# Allegro board 6089-103-RevB_76.brd (continued)
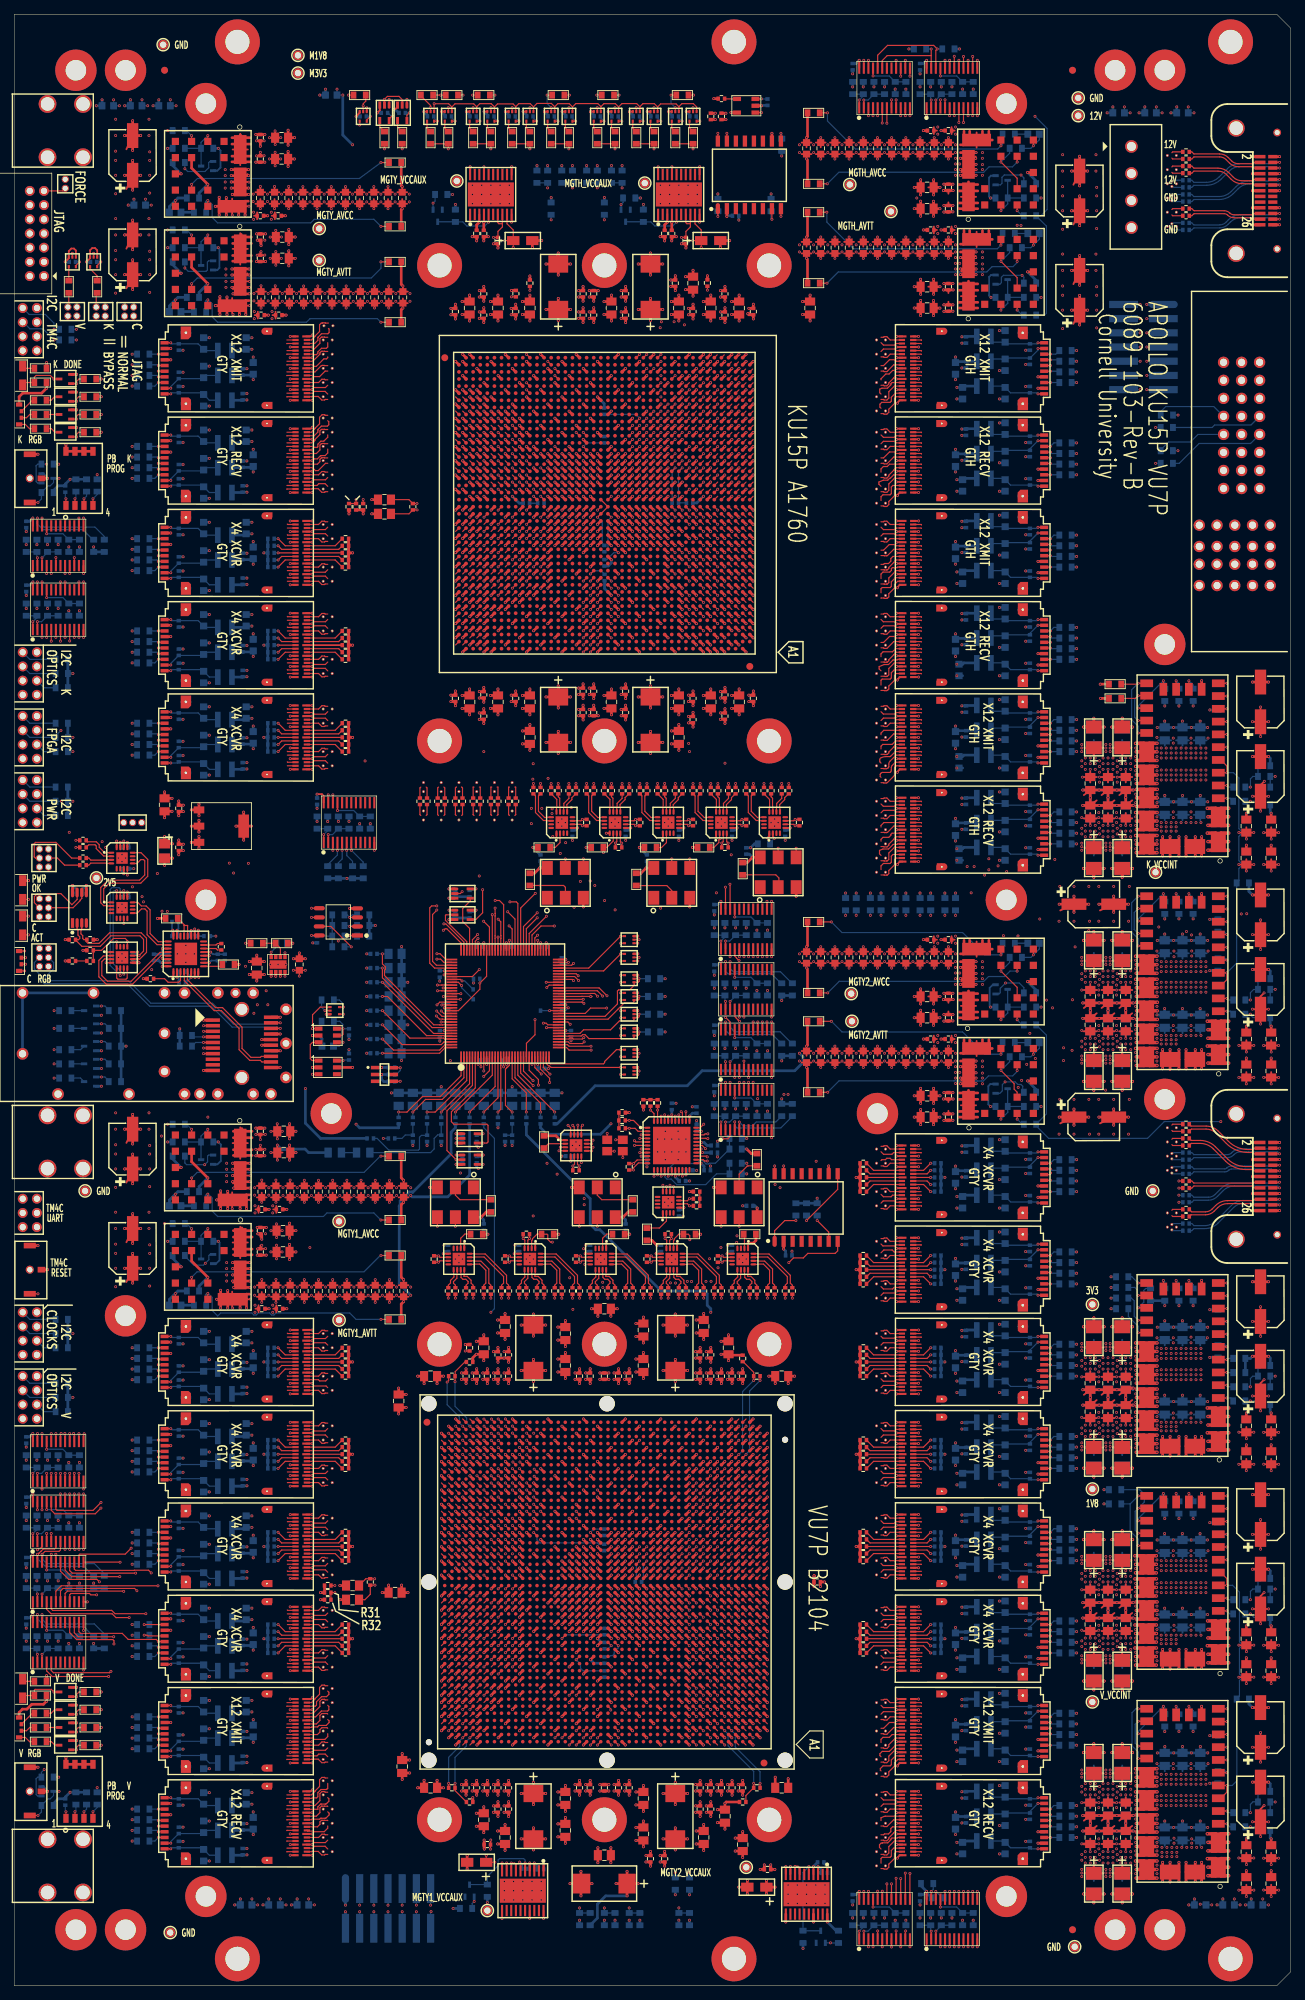
[diagram p0: board, top side]
## Routing (per net, layer and track width the routed paths; a pad name or vN(x,y) marks a point on that pad's centre or on a via; arc(x,y) is an arc through that point) (continued)
; VA57.4 63.02,169.86 ; VA57.4 63.08,169.53 ; VA57.4 62.7,169.92 ; VA57.4 62.89,169.95 ; P1.P2-9 167.07,203.78 ; P1.P2-9 166.33,202.06 ; P1.P2-9 167.07,201.82 ; P1.P2-9 167.81,202.06 ; P1.P2-9 166.33,203.54 ; P1.P2-9 168.05,202.8 ; P1.P2-9 166.09,202.8 ; P1.P2-9 167.81,203.54 ; VA94.3 123.16,169.58 ; VA94.3 123.25,170.09 ; VA94.3 123.25,169.71 ; VA94.3 122.83,170.28 ; VA94.3 122.83,169.52 ; VA94.3 123.02,170.31 ; VA94.3 123.16,170.22 ; VA94.3 123.22,169.9 ; 121.38,35.49 VA127.4 ; VA127.4 121.15,36.09 ; VA127.4 121.24,35.58 ; VA127.4 121.24,36.22 ; VA127.4 121.56,36.28 ; VA127.4 121.56,35.52 ; VA127.4 121.18,35.9 ; VA127.4 121.15,35.71 ; J1.1 4.87,240.23 ; J1.1 3.32,240.9 ; J1.1 5.08,240.9 ; J1.1 4.87,241.57 ; J1.1 3.53,241.57 ; J1.1 3.53,240.23 ; J1.1 4.2,241.78 ; J1.1 4.2,240.02 ; 43.15,39.71 43.56,39.9 ; 43.56,39.9 43.24,39.58 ; 43.56,39.9 43.24,40.22 ; 43.56,39.9 43.56,39.52 ; 43.56,39.9 43.38,39.49 ; 43.56,39.9 43.56,40.28 ; 43.56,39.9 43.15,40.09 ; 43.56,39.9 43.18,39.9 ; 6.18,125.65 6.18,126.53 ; 6.18,125.65 6.85,126.32 ; 6.18,125.65 5.3,125.65 ; 6.18,125.65 6.18,124.77 ; 6.18,125.65 5.51,126.32 ; 6.18,125.65 6.85,124.98 ; 6.18,125.65 5.51,124.98 ; 6.18,125.65 7.06,125.65 ; 121.24,188.58 VA85.4 ; VA85.4 121.24,189.22 ; VA85.4 121.56,189.28 ; VA85.4 121.38,188.49 ; VA85.4 121.18,188.9 ; VA85.4 121.56,188.52 ; VA85.4 121.15,189.09 ; VA85.4 121.15,188.71 ; 168.83,205.06 P1.P2-8 ; P1.P2-8 170.31,206.54 ; P1.P2-8 168.83,206.54 ; P1.P2-8 170.31,205.06 ; P1.P2-8 169.57,206.78 ; P1.P2-8 169.57,204.82 ; P1.P2-8 168.59,205.8 ; P1.P2-8 170.55,205.8 ; U13.22 34.45,140.66 ; U13.22 33.69,138.9 ; U13.22 33.69,140.9 ; U13.22 34.69,139.9 ; U13.22 32.93,140.66 ; U13.22 32.69,139.9 ; U13.22 34.45,139.14 ; U13.22 32.93,139.14 ; 121.18,197.9 VA81.4 ; VA81.4 121.56,198.28 ; VA81.4 121.56,197.52 ; VA81.4 121.24,198.22 ; VA81.4 121.15,197.71 ; VA81.4 121.24,197.58 ; VA81.4 121.15,198.09 ; VA81.4 121.38,197.49 ; VA115.3 123.22,72.9 ; VA115.3 123.25,73.09 ; VA115.3 122.83,72.52 ; VA115.3 123.02,73.31 ; VA115.3 122.83,73.28 ; VA115.3 123.25,72.71 ; VA115.3 123.16,73.22 ; VA115.3 123.16,72.58 ; 121.15,63.71 VA118.3 ; VA118.3 121.15,64.09 ; VA118.3 121.38,63.49 ; VA118.3 121.56,64.28 ; VA118.3 121.24,63.58 ; VA118.3 121.18,63.9 ; VA118.3 121.24,64.22 ; VA118.3 121.56,63.52 ; VA10.4 45.16,212.58 ; VA10.4 45.25,212.71 ; VA10.4 45.25,213.09 ; VA10.4 45.16,213.22 ; VA10.4 44.84,213.28 ; VA10.4 44.84,212.52 ; VA10.4 45.22,212.9 ; VA10.4 45.02,213.31 ; 121.15,70.71 VA116.4 ; VA116.4 121.15,71.09 ; VA116.4 121.38,70.49 ; VA116.4 121.56,70.52 ; VA116.4 121.56,71.28 ; VA116.4 121.18,70.9 ; VA116.4 121.24,71.22 ; VA116.4 121.24,70.58 ; 43.38,59.49 43.56,59.9 ; 43.56,59.9 43.24,59.58 ; 43.56,59.9 43.18,59.9 ; 43.56,59.9 43.15,59.71 ; 43.56,59.9 43.24,60.22 ; 43.56,59.9 43.15,60.09 ; 43.56,59.9 43.56,60.28 ; 43.56,59.9 43.56,59.52 ; 121.18,39.9 VA125.4 ; VA125.4 121.24,40.22 ; VA125.4 121.24,39.58 ; VA125.4 121.15,39.71 ; VA125.4 121.38,39.49 ; VA125.4 121.56,39.52 ; VA125.4 121.56,40.28 ; VA125.4 121.15,40.09 ; VA59.4 65.52,169.86 ; VA59.4 65.58,169.53 ; VA59.4 64.82,169.53 ; VA59.4 65.2,169.92 ; VA59.4 64.88,169.86 ; VA59.4 64.79,169.72 ; VA59.4 65.61,169.72 ; VA59.4 65.39,169.95 ; VA123.3 123.16,46.58 ; VA123.3 122.83,47.28 ; VA123.3 123.25,47.09 ; VA123.3 122.83,46.52 ; VA123.3 123.16,47.22 ; VA123.3 123.22,46.9 ; VA123.3 123.25,46.71 ; VA123.3 123.02,47.31 ; 121.15,37.71 VA126.4 ; VA126.4 121.18,37.9 ; VA126.4 121.24,37.58 ; VA126.4 121.15,38.09 ; VA126.4 121.56,37.52 ; VA126.4 121.38,37.49 ; VA126.4 121.56,38.28 ; VA126.4 121.24,38.22 ; 43.18,72.9 43.56,72.9 ; 43.56,72.9 43.56,72.52 ; 43.56,72.9 43.15,72.71 ; 43.56,72.9 43.38,72.49 ; 43.56,72.9 43.15,73.09 ; 43.56,72.9 43.56,73.28 ; 43.56,72.9 43.24,73.22 ; 43.56,72.9 43.24,72.58 ; P1.P2-7 170.55,202.8 ; P1.P2-7 170.31,202.06 ; P1.P2-7 170.31,203.54 ; P1.P2-7 169.57,201.82 ; P1.P2-7 168.83,202.06 ; P1.P2-7 168.59,202.8 ; P1.P2-7 169.57,203.78 ; P1.P2-7 168.83,203.54 ; VA122.3 121.56,51.28 ; VA122.3 121.18,50.9 ; VA122.3 121.24,50.58 ; VA122.3 121.15,51.09 ; VA122.3 121.24,51.22 ; VA122.3 121.15,50.71 ; VA122.3 121.38,50.49 ; VA122.3 121.56,50.52 ; VA46.4 45.25,28.71 ; VA46.4 45.16,29.22 ; VA46.4 45.22,28.9 ; VA46.4 44.84,29.28 ; VA46.4 45.02,29.31 ; VA46.4 44.84,28.52 ; VA46.4 45.16,28.58 ; VA46.4 45.25,29.09 ; 43.56,205.52 43.56,205.9 ; 43.56,205.9 43.15,206.09 ; 43.56,205.9 43.38,205.49 ; 43.56,205.9 43.18,205.9 ; 43.56,205.9 43.56,206.28 ; 43.56,205.9 43.15,205.71 ; 43.56,205.9 43.24,206.22 ; 43.56,205.9 43.24,205.58 ; VA63.4 70.39,169.95 ; VA63.4 70.52,169.86 ; VA63.4 70.2,169.92 ; VA63.4 69.79,169.72 ; VA63.4 70.61,169.72 ; VA63.4 69.88,169.86 ; VA63.4 69.82,169.53 ; VA63.4 70.58,169.53 ; 62.7,167.88 62.7,168.26 ; 62.7,168.26 62.38,167.94 ; 62.7,168.26 62.32,168.26 ; 62.7,168.26 62.51,167.85 ; 62.7,168.26 63.08,168.26 ; 62.7,168.26 62.29,168.08 ; 62.7,168.26 63.11,168.08 ; 62.7,168.26 63.02,167.94 ; VA36.4 45.16,52.58 ; VA36.4 45.25,52.71 ; VA36.4 45.25,53.09 ; VA36.4 45.16,53.22 ; VA36.4 45.22,52.9 ; VA36.4 45.02,53.31 ; VA36.4 44.84,53.28 ; VA36.4 44.84,52.52 ; 121.18,160.9 VA98.4 ; VA98.4 121.56,160.52 ; VA98.4 121.24,160.58 ; VA98.4 121.24,161.22 ; VA98.4 121.38,160.49 ; VA98.4 121.56,161.28 ; VA98.4 121.15,161.09 ; VA98.4 121.15,160.71 ; 122.83,173.52 VA92.3 ; VA92.3 122.83,174.28 ; VA92.3 123.02,174.31 ; VA92.3 123.22,173.9 ; VA92.3 123.16,173.58 ; VA92.3 123.16,174.22 ; VA92.3 123.25,174.09 ; VA92.3 123.25,173.71 ; 172.29,225.47 P1.15 ; P1.15 173.77,226.95 ; P1.15 173.03,227.19 ; P1.15 172.05,226.21 ; P1.15 173.77,225.47 ; P1.15 172.29,226.95 ; P1.15 173.03,225.23 ; P1.15 174.01,226.21 ; VA117.4 123.25,66.09 ; VA117.4 122.83,66.28 ; VA117.4 123.02,66.31 ; VA117.4 123.16,66.22 ; VA117.4 123.22,65.9 ; VA117.4 123.25,65.71 ; VA117.4 123.16,65.58 ; VA117.4 122.83,65.52 ; 43.56,89.9 43.56,90.28 ; 43.56,89.9 43.56,89.52 ; 43.56,89.9 43.24,89.58 ; 43.56,89.9 43.15,90.09 ; 43.56,89.9 43.38,89.49 ; 43.56,89.9 43.18,89.9 ; 43.56,89.9 43.24,90.22 ; 43.56,89.9 43.15,89.71 ; 43.24,184.58 43.56,184.9 ; 43.56,184.9 43.15,185.09 ; 43.56,184.9 43.18,184.9 ; 43.56,184.9 43.56,185.28 ; 43.56,184.9 43.15,184.71 ; 43.56,184.9 43.56,184.52 ; 43.56,184.9 43.24,185.22 ; 43.56,184.9 43.38,184.49 ; VA75.3 123.16,211.22 ; VA75.3 122.83,210.52 ; VA75.3 123.25,211.09 ; VA75.3 123.22,210.9 ; VA75.3 123.02,211.31 ; VA75.3 123.25,210.71 ; VA75.3 123.16,210.58 ; VA75.3 122.83,211.28 ; 121.38,57.49 VA120.4 ; VA120.4 121.18,57.9 ; VA120.4 121.24,58.22 ; VA120.4 121.56,57.52 ; VA120.4 121.24,57.58 ; VA120.4 121.15,57.71 ; VA120.4 121.56,58.28 ; VA120.4 121.15,58.09 ; VA49.4 45.02,23.31 ; VA49.4 45.25,22.71 ; VA49.4 45.16,23.22 ; VA49.4 44.84,23.28 ; VA49.4 45.22,22.9 ; VA49.4 44.84,22.52 ; VA49.4 45.25,23.09 ; VA49.4 45.16,22.58 ; 2.53,88.23 J7.8 ; J7.8 4.08,88.9 ; J7.8 2.53,89.57 ; J7.8 3.2,89.78 ; J7.8 3.2,88.02 ; J7.8 3.87,89.57 ; J7.8 3.87,88.23 ; J7.8 2.32,88.9 ; VA129.3 122.83,32.28 ; VA129.3 123.16,31.58 ; VA129.3 123.25,31.71 ; VA129.3 122.83,31.52 ; VA129.3 123.25,32.09 ; VA129.3 123.02,32.31 ; VA129.3 123.16,32.22 ; VA129.3 123.22,31.9 ; 163.84,114.9 164.25,114.71 ; 163.84,114.9 163.84,115.28 ; 163.84,114.9 164.02,115.31 ; 163.84,114.9 164.16,114.58 ; 163.84,114.9 164.16,115.22 ; 163.84,114.9 164.25,115.09 ; 163.84,114.9 164.22,114.9 ; 163.84,114.9 163.84,114.52 ; VA38.3 45.02,47.31 ; VA38.3 45.25,47.09 ; VA38.3 44.84,46.52 ; VA38.3 45.25,46.71 ; VA38.3 45.22,46.9 ; VA38.3 45.16,46.58 ; VA38.3 45.16,47.22 ; VA38.3 44.84,47.28 ; U22.G2 24.21,197.84 ; U22.G2 24.93,197.62 ; U22.G2 25.15,196.9 ; U22.G2 23.81,195.97 ; U22.G2 24.93,196.18 ; U22.G2 23.49,197.62 ; U22.G2 24.21,195.96 ; U22.G2 23.49,196.18 ; U108.G1 142.91,170.18 ; U108.G1 141.47,170.18 ; U108.G1 142.19,171.84 ; U108.G1 142.91,171.62 ; U108.G1 141.47,171.62 ; U108.G1 142.19,169.96 ; U108.G1 141.79,169.97 ; U108.G1 141.25,170.9 ; VA7.4 44.84,219.28 ; VA7.4 45.02,219.31 ; VA7.4 45.16,219.22 ; VA7.4 45.25,219.09 ; VA7.4 45.22,218.9 ; VA7.4 45.16,218.58 ; VA7.4 45.25,218.71 ; VA7.4 44.84,218.52 ; VA22.3 45.22,173.9 ; VA22.3 45.16,174.22 ; VA22.3 45.25,174.09 ; VA22.3 44.84,174.28 ; VA22.3 45.25,173.71 ; VA22.3 44.84,173.52 ; VA22.3 45.02,174.31 ; VA22.3 45.16,173.58 ; VA109.4 123.16,92.22 ; VA109.4 123.25,92.09 ; VA109.4 123.02,92.31 ; VA109.4 122.83,91.52 ; VA109.4 123.16,91.58 ; VA109.4 122.83,92.28 ; VA109.4 123.22,91.9 ; VA109.4 123.25,91.71 ; 23.49,180.18 U24.G1 ; U24.G1 24.93,181.62 ; U24.G1 23.49,181.62 ; U24.G1 25.15,180.9 ; U24.G1 24.93,180.18 ; U24.G1 23.81,179.97 ; U24.G1 24.21,179.96 ; U24.G1 24.21,181.84 ; 121.38,221.49 VA70.4 ; VA70.4 121.15,221.71 ; VA70.4 121.24,221.58 ; VA70.4 121.15,222.09 ; VA70.4 121.24,222.22 ; VA70.4 121.18,221.9 ; VA70.4 121.56,221.52 ; VA70.4 121.56,222.28 ; VA121.4 123.22,52.9 ; VA121.4 123.02,53.31 ; VA121.4 123.25,53.09 ; VA121.4 123.16,52.58 ; VA121.4 123.25,52.71 ; VA121.4 122.83,53.28 ; VA121.4 122.83,52.52 ; VA121.4 123.16,53.22 ; 43.38,231.49 43.56,231.9 ; 43.56,231.9 43.15,232.09 ; 43.56,231.9 43.56,232.28 ; 43.56,231.9 43.24,232.22 ; 43.56,231.9 43.24,231.58 ; 43.56,231.9 43.15,231.71 ; 43.56,231.9 43.56,231.52 ; 43.56,231.9 43.18,231.9 ; 24.21,68.96 U26.G2 ; U26.G2 25.15,69.9 ; U26.G2 23.49,70.62 ; U26.G2 24.93,70.62 ; U26.G2 24.21,70.84 ; U26.G2 23.81,68.97 ; U26.G2 23.49,69.18 ; U26.G2 24.93,69.18 ; P1.10 173.03,214.49 ; P1.10 173.77,212.77 ; P1.10 172.29,214.25 ; P1.10 172.05,213.51 ; P1.10 174.01,213.51 ; P1.10 173.03,212.53 ; P1.10 172.29,212.77 ; P1.10 173.77,214.25 ; 121.24,190.58 VA84.4 ; VA84.4 121.15,191.09 ; VA84.4 121.56,190.52 ; VA84.4 121.56,191.28 ; VA84.4 121.38,190.49 ; VA84.4 121.15,190.71 ; VA84.4 121.24,191.22 ; VA84.4 121.18,190.9 ; 121.18,227.9 VA67.4 ; VA67.4 121.38,227.49 ; VA67.4 121.24,228.22 ; VA67.4 121.15,227.71 ; VA67.4 121.56,227.52 ; VA67.4 121.15,228.09 ; VA67.4 121.24,227.58 ; VA67.4 121.56,228.28 ; VA32.4 45.16,66.22 ; VA32.4 45.02,66.31 ; VA32.4 45.25,65.71 ; VA32.4 45.22,65.9 ; VA32.4 45.25,66.09 ; VA32.4 44.84,65.52 ; VA32.4 45.16,65.58 ; VA32.4 44.84,66.28 ; U13.21 31.89,139.21 ; U13.21 31.2,140.8 ; U13.21 30.3,139.9 ; U13.21 31.2,139 ; U13.21 30.51,139.21 ; U13.21 31.89,140.59 ; U13.21 30.51,140.59 ; U13.21 32.1,139.9 ; U111.G2 142.19,106.84 ; U111.G2 141.25,105.9 ; U111.G2 141.47,106.62 ; U111.G2 142.19,104.96 ; U111.G2 142.91,106.62 ; U111.G2 142.91,105.18 ; U111.G2 141.47,105.18 ; U111.G2 141.79,104.97 ; 121.18,192.9 VA83.4 ; VA83.4 121.24,193.22 ; VA83.4 121.38,192.49 ; VA83.4 121.15,192.71 ; VA83.4 121.24,192.58 ; VA83.4 121.56,193.28 ; VA83.4 121.56,192.52 ; VA83.4 121.15,193.09 ; VA58.4 63.08,165.53 ; VA58.4 62.38,165.86 ; VA58.4 62.29,165.72 ; VA58.4 63.11,165.72 ; VA58.4 62.32,165.53 ; VA58.4 63.02,165.86 ; VA58.4 62.7,165.92 ; VA58.4 62.89,165.95 ; VA45.4 45.25,31.71 ; VA45.4 44.84,32.28 ; VA45.4 45.22,31.9 ; VA45.4 45.16,32.22 ; VA45.4 45.16,31.58 ; VA45.4 45.02,32.31 ; VA45.4 44.84,31.52 ; VA45.4 45.25,32.09 ; 162.15,118.71 VA144.4 ; VA144.4 162.18,118.9 ; VA144.4 162.56,118.52 ; VA144.4 162.24,119.22 ; VA144.4 162.56,119.28 ; VA144.4 162.15,119.09 ; VA144.4 162.38,118.49 ; VA144.4 162.24,118.58 ; 70.2,167.88 70.2,168.26 ; 70.2,168.26 69.88,167.94 ; 70.2,168.26 70.61,168.08 ; 70.2,168.26 69.79,168.08 ; 70.2,168.26 70.58,168.26 ; 70.2,168.26 70.01,167.85 ; 70.2,168.26 70.52,167.94 ; 70.2,168.26 69.82,168.26 ; 142.19,94.96 U111.G1 ; U111.G1 142.19,96.84 ; U111.G1 141.47,96.62 ; U111.G1 142.91,95.18 ; U111.G1 141.79,94.97 ; U111.G1 141.47,95.18 ; U111.G1 142.91,96.62 ; U111.G1 141.25,95.9 ; 176.09,205.8 P1.P2-2 ; P1.P2-2 177.81,206.54 ; P1.P2-2 176.33,205.06 ; P1.P2-2 177.81,205.06 ; P1.P2-2 177.07,204.82 ; P1.P2-2 177.07,206.78 ; P1.P2-2 176.33,206.54 ; P1.P2-2 178.05,205.8 ; 24.21,26.96 U30.G1 ; U30.G1 23.49,28.62 ; U30.G1 25.15,27.9 ; U30.G1 23.49,27.18 ; U30.G1 23.81,26.97 ; U30.G1 24.93,27.18 ; U30.G1 24.93,28.62 ; U30.G1 24.21,28.84 ; 121.24,115.58 VA102.3 ; VA102.3 121.15,116.09 ; VA102.3 121.18,115.9 ; VA102.3 121.24,116.22 ; VA102.3 121.15,115.71 ; VA102.3 121.38,115.49 ; VA102.3 121.56,116.28 ; VA102.3 121.56,115.52 ; 43.24,65.58 43.56,65.9 ; 43.56,65.9 43.15,65.71 ; 43.56,65.9 43.18,65.9 ; 43.56,65.9 43.56,66.28 ; 43.56,65.9 43.38,65.49 ; 43.56,65.9 43.15,66.09 ; 43.56,65.9 43.24,66.22 ; 43.56,65.9 43.56,65.52 ; 43.56,50.9 43.56,51.28 ; 43.56,50.9 43.24,50.58 ; 43.56,50.9 43.15,50.71 ; 43.56,50.9 43.38,50.49 ; 43.56,50.9 43.56,50.52 ; 43.56,50.9 43.24,51.22 ; 43.56,50.9 43.18,50.9 ; 43.56,50.9 43.15,51.09 ; VA2.4 44.84,230.28 ; VA2.4 45.16,229.58 ; VA2.4 45.25,229.71 ; VA2.4 45.25,230.09 ; VA2.4 45.02,230.31 ; VA2.4 44.84,229.52 ; VA2.4 45.22,229.9 ; VA2.4 45.16,230.22 ; VA28.4 45.22,78.9 ; VA28.4 45.16,79.22 ; VA28.4 45.02,79.31 ; VA28.4 45.16,78.58 ; VA28.4 44.84,78.52 ; VA28.4 45.25,79.09 ; VA28.4 45.25,78.71 ; VA28.4 44.84,79.28 ; 121.24,225.58 VA68.4 ; VA68.4 121.38,225.49 ; VA68.4 121.15,225.71 ; VA68.4 121.24,226.22 ; VA68.4 121.56,225.52 ; VA68.4 121.18,225.9 ; VA68.4 121.56,226.28 ; VA68.4 121.15,226.09 ; 43.15,26.71 43.56,26.9 ; 43.56,26.9 43.24,26.58 ; 43.56,26.9 43.38,26.49 ; 43.56,26.9 43.56,26.52 ; 43.56,26.9 43.24,27.22 ; 43.56,26.9 43.15,27.09 ; 43.56,26.9 43.18,26.9 ; 43.56,26.9 43.56,27.28 ; 150,265.12 PM22.1 ; PM22.1 150.67,266.67 ; PM22.1 149.33,265.33 ; PM22.1 150.67,265.33 ; PM22.1 149.33,266.67 ; PM22.1 150.88,266 ; PM22.1 150,266.88 ; PM22.1 149.12,266 ; 43.38,171.49 43.56,171.9 ; 43.56,171.9 43.24,171.58 ; 43.56,171.9 43.15,171.71 ; 43.56,171.9 43.18,171.9 ; 43.56,171.9 43.24,172.22 ; 43.56,171.9 43.15,172.09 ; 43.56,171.9 43.56,171.52 ; 43.56,171.9 43.56,172.28 ; 121.18,223.9 VA69.4 ; VA69.4 121.24,224.22 ; VA69.4 121.15,224.09 ; VA69.4 121.56,223.52 ; VA69.4 121.38,223.49 ; VA69.4 121.15,223.71 ; VA69.4 121.56,224.28 ; VA69.4 121.24,223.58 ; 141.47,56.18 U114.G1 ; U114.G1 142.19,55.96 ; U114.G1 141.25,56.9 ; U114.G1 141.47,57.62 ; U114.G1 142.91,57.62 ; U114.G1 142.91,56.18 ; U114.G1 141.79,55.97 ; U114.G1 142.19,57.84 ; VA12.4 45.25,206.09 ; VA12.4 45.22,205.9 ; VA12.4 44.84,205.52 ; VA12.4 45.16,205.58 ; VA12.4 45.16,206.22 ; VA12.4 44.84,206.28 ; VA12.4 45.25,205.71 ; VA12.4 45.02,206.31 ; VA30.3 44.84,73.28 ; VA30.3 45.16,73.22 ; VA30.3 45.25,72.71 ; VA30.3 45.22,72.9 ; VA30.3 44.84,72.52 ; VA30.3 45.16,72.58 ; VA30.3 45.02,73.31 ; VA30.3 45.25,73.09 ; VA13.4 44.84,204.28 ; VA13.4 45.16,203.58 ; VA13.4 45.22,203.9 ; VA13.4 45.25,203.71 ; VA13.4 44.84,203.52 ; VA13.4 45.25,204.09 ; VA13.4 45.16,204.22 ; VA13.4 45.02,204.31 ; VA61.4 67.7,169.92 ; VA61.4 68.11,169.72 ; VA61.4 67.38,169.86 ; VA61.4 67.29,169.72 ; VA61.4 67.32,169.53 ; VA61.4 68.02,169.86 ; VA61.4 67.89,169.95 ; VA61.4 68.08,169.53 ; 2.53,181.23 J3.8 ; J3.8 2.32,181.9 ; J3.8 3.87,182.57 ; J3.8 4.08,181.9 ; J3.8 3.2,182.78 ; J3.8 3.87,181.23 ; J3.8 3.2,181.02 ; J3.8 2.53,182.57 ; J3.7 1.87,182.57 ; J3.7 2.07,182.28 ; J3.7 1.58,182.77 ; J3.7 2.07,181.52 ; J3.7 1.2,182.78 ; J3.7 1.87,181.23 ; J3.7 2.08,181.9 ; J3.7 1.2,181.02 ; 59.88,163.94 60.2,164.26 ; 60.2,164.26 59.82,164.26 ; 60.2,164.26 60.01,163.85 ; 60.2,164.26 60.2,163.88 ; 60.2,164.26 59.79,164.08 ; 60.2,164.26 60.61,164.08 ; 60.2,164.26 60.52,163.94 ; 60.2,164.26 60.58,164.26 ; VA136.3 122.83,17.28 ; VA136.3 123.02,17.31 ; VA136.3 123.22,16.9 ; VA136.3 122.83,16.52 ; VA136.3 123.25,16.71 ; VA136.3 123.16,17.22 ; VA136.3 123.25,17.09 ; VA136.3 123.16,16.58 ; 121.15,205.71 VA77.4 ; VA77.4 121.24,206.22 ; VA77.4 121.18,205.9 ; VA77.4 121.56,205.52 ; VA77.4 121.56,206.28 ; VA77.4 121.15,206.09 ; VA77.4 121.38,205.49 ; VA77.4 121.24,205.58 ; VA47.4 45.25,27.09 ; VA47.4 44.84,27.28 ; VA47.4 44.84,26.52 ; VA47.4 45.16,26.58 ; VA47.4 45.22,26.9 ; VA47.4 45.16,27.22 ; VA47.4 45.02,27.31 ; VA47.4 45.25,26.71 ; 1.2,172.02 J4.7 ; J4.7 2.07,172.52 ; J4.7 1.87,173.57 ; J4.7 1.58,173.77 ; J4.7 2.08,172.9 ; J4.7 1.2,173.78 ; J4.7 1.87,172.23 ; J4.7 2.07,173.28 ; J12.1 7.89,254.53 ; J12.1 6.66,255.07 ; J12.1 6.66,254 ; J12.1 7.74,255.07 ; J12.1 7.2,255.22 ; J12.1 7.5,255.23 ; J12.1 6.51,254.53 ; J12.1 7.74,254 ; 176.33,203.54 P1.P2-1 ; P1.P2-1 177.81,202.06 ; P1.P2-1 177.07,203.78 ; P1.P2-1 177.81,203.54 ; P1.P2-1 178.05,202.8 ; P1.P2-1 176.33,202.06 ; P1.P2-1 177.07,201.82 ; P1.P2-1 176.09,202.8 ; VA67.3 123.02,228.31 ; VA67.3 123.22,227.9 ; VA67.3 122.83,227.52 ; VA67.3 122.83,228.28 ; VA67.3 123.16,227.58 ; VA67.3 123.16,228.22 ; VA67.3 123.25,227.71 ; VA67.3 123.25,228.09 ; 121.24,174.22 VA92.4 ; VA92.4 121.15,174.09 ; VA92.4 121.56,174.28 ; VA92.4 121.18,173.9 ; VA92.4 121.56,173.52 ; VA92.4 121.24,173.58 ; VA92.4 121.38,173.49 ; VA92.4 121.15,173.71 ; 43.15,33.71 43.56,33.9 ; 43.56,33.9 43.56,33.52 ; 43.56,33.9 43.15,34.09 ; 43.56,33.9 43.18,33.9 ; 43.56,33.9 43.24,33.58 ; 43.56,33.9 43.24,34.22 ; 43.56,33.9 43.38,33.49 ; 43.56,33.9 43.56,34.28 ; 121.38,76.49 VA114.3 ; VA114.3 121.15,77.09 ; VA114.3 121.56,76.52 ; VA114.3 121.15,76.71 ; VA114.3 121.24,77.22 ; VA114.3 121.24,76.58 ; VA114.3 121.18,76.9 ; VA114.3 121.56,77.28 ; VA120.3 123.16,58.22 ; VA120.3 122.83,57.52 ; VA120.3 123.25,57.71 ; VA120.3 123.22,57.9 ; VA120.3 123.02,58.31 ; VA120.3 123.16,57.58 ; VA120.3 122.83,58.28 ; VA120.3 123.25,58.09 ; 163.84,249.9 164.16,250.22 ; 163.84,249.9 164.16,249.58 ; 163.84,249.9 163.84,250.28 ; 163.84,249.9 164.25,250.09 ; 163.84,249.9 164.02,250.31 ; 163.84,249.9 164.22,249.9 ; 163.84,249.9 163.84,249.52 ; 163.84,249.9 164.25,249.71 ; 173.83,202.06 P1.P2-3 ; P1.P2-3 175.31,202.06 ; P1.P2-3 175.31,203.54 ; P1.P2-3 174.57,201.82 ; P1.P2-3 173.59,202.8 ; P1.P2-3 173.83,203.54 ; P1.P2-3 175.55,202.8 ; P1.P2-3 174.57,203.78 ; 43.38,227.49 43.56,227.9 ; 43.56,227.9 43.15,228.09 ; 43.56,227.9 43.18,227.9 ; 43.56,227.9 43.24,227.58 ; 43.56,227.9 43.56,227.52 ; 43.56,227.9 43.24,228.22 ; 43.56,227.9 43.15,227.71 ; 43.56,227.9 43.56,228.28 ; J6.5 2.08,106.9 ; J6.5 1.2,106.02 ; J6.5 1.58,107.77 ; J6.5 1.2,107.78 ; J6.5 1.87,107.57 ; J6.5 1.87,106.23 ; J6.5 2.07,107.28 ; J6.5 2.07,106.52 ; 70.2,164.26 70.58,164.26 ; 70.2,164.26 69.82,164.26 ; 70.2,164.26 69.79,164.08 ; 70.2,164.26 70.2,163.88 ; 70.2,164.26 69.88,163.94 ; 70.2,164.26 70.52,163.94 ; 70.2,164.26 70.61,164.08 ; 70.2,164.26 70.01,163.85 ; 43.24,41.58 43.56,41.9 ; 43.56,41.9 43.18,41.9 ; 43.56,41.9 43.56,42.28 ; 43.56,41.9 43.15,41.71 ; 43.56,41.9 43.15,42.09 ; 43.56,41.9 43.24,42.22 ; 43.56,41.9 43.56,41.52 ; 43.56,41.9 43.38,41.49 ; 121.18,156.9 VA100.4 ; VA100.4 121.56,156.52 ; VA100.4 121.38,156.49 ; VA100.4 121.24,156.58 ; VA100.4 121.15,156.71 ; VA100.4 121.15,157.09 ; VA100.4 121.56,157.28 ; VA100.4 121.24,157.22 ; 121.15,73.09 VA115.4 ; VA115.4 121.15,72.71 ; VA115.4 121.24,73.22 ; VA115.4 121.18,72.9 ; VA115.4 121.38,72.49 ; VA115.4 121.56,73.28 ; VA115.4 121.24,72.58 ; VA115.4 121.56,72.52 ; 23.81,221.97 U20.G2 ; U20.G2 24.21,221.96 ; U20.G2 24.93,222.18 ; U20.G2 23.49,223.62 ; U20.G2 24.93,223.62 ; U20.G2 25.15,222.9 ; U20.G2 23.49,222.18 ; U20.G2 24.21,223.84 ; U20.G1 24.21,233.84 ; U20.G1 23.49,232.18 ; U20.G1 23.81,231.97 ; U20.G1 23.49,233.62 ; U20.G1 24.93,233.62 ; U20.G1 24.21,231.96 ; U20.G1 24.93,232.18 ; U20.G1 25.15,232.9 ; VA80.3 123.22,199.9 ; VA80.3 123.25,200.09 ; VA80.3 123.16,200.22 ; VA80.3 122.83,200.28 ; VA80.3 123.25,199.71 ; VA80.3 123.02,200.31 ; VA80.3 123.16,199.58 ; VA80.3 122.83,199.52 ; 23.81,42.97 U28.G2 ; U28.G2 24.21,44.84 ; U28.G2 24.93,44.62 ; U28.G2 24.21,42.96 ; U28.G2 23.49,43.18 ; U28.G2 24.93,43.18 ; U28.G2 25.15,43.9 ; U28.G2 23.49,44.62 ; 121.15,184.71 VA87.4 ; VA87.4 121.56,185.28 ; VA87.4 121.56,184.52 ; VA87.4 121.38,184.49 ; VA87.4 121.24,185.22 ; VA87.4 121.15,185.09 ; VA87.4 121.18,184.9 ; VA87.4 121.24,184.58 ; 122.83,182.52 VA88.3 ; VA88.3 123.16,183.22 ; VA88.3 123.16,182.58 ; VA88.3 122.83,183.28 ; VA88.3 123.25,182.71 ; VA88.3 123.02,183.31 ; VA88.3 123.25,183.09 ; VA88.3 123.22,182.9 ; VA95.3 123.25,166.71 ; VA95.3 122.83,167.28 ; VA95.3 123.02,167.31 ; VA95.3 123.22,166.9 ; VA95.3 123.16,167.22 ; VA95.3 123.25,167.09 ; VA95.3 123.16,166.58 ; VA95.3 122.83,166.52 ; 32.93,126.41 U13.27 ; U13.27 32.69,125.65 ; U13.27 33.69,124.65 ; U13.27 34.69,125.65 ; U13.27 34.45,126.41 ; U13.27 32.93,124.89 